# Altium PCB Balam_Board_2021_V2.PcbDoc
Units mil, origin at the board's own origin, x right, y up, seen from the top; angles counter-clockwise.
Board outline 3063.83 x 2727.29 mil, 2 copper layers (Top Layer, Bottom Layer); 61 components, 48 nets, 234 pads, 0 vias.
Unrouted connection lines stored in the file: 171.
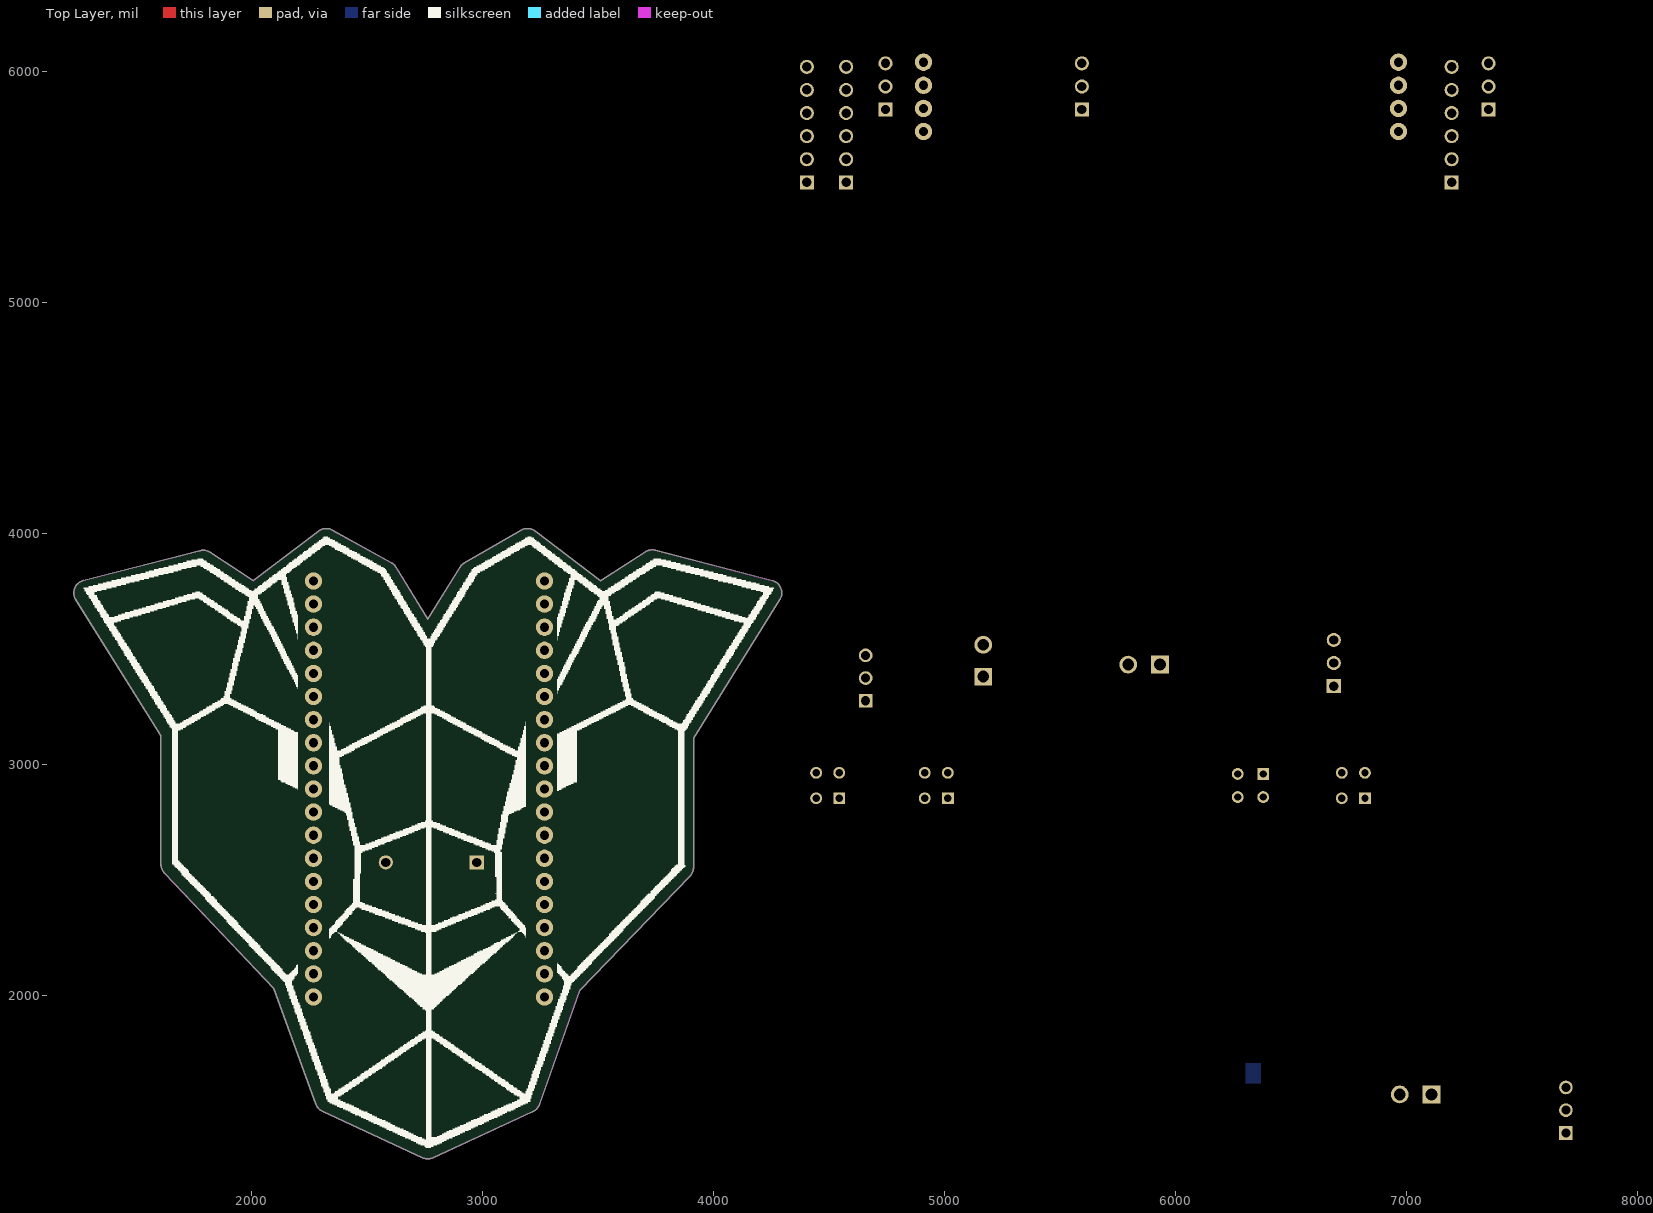
[diagram p0: Top Layer view]
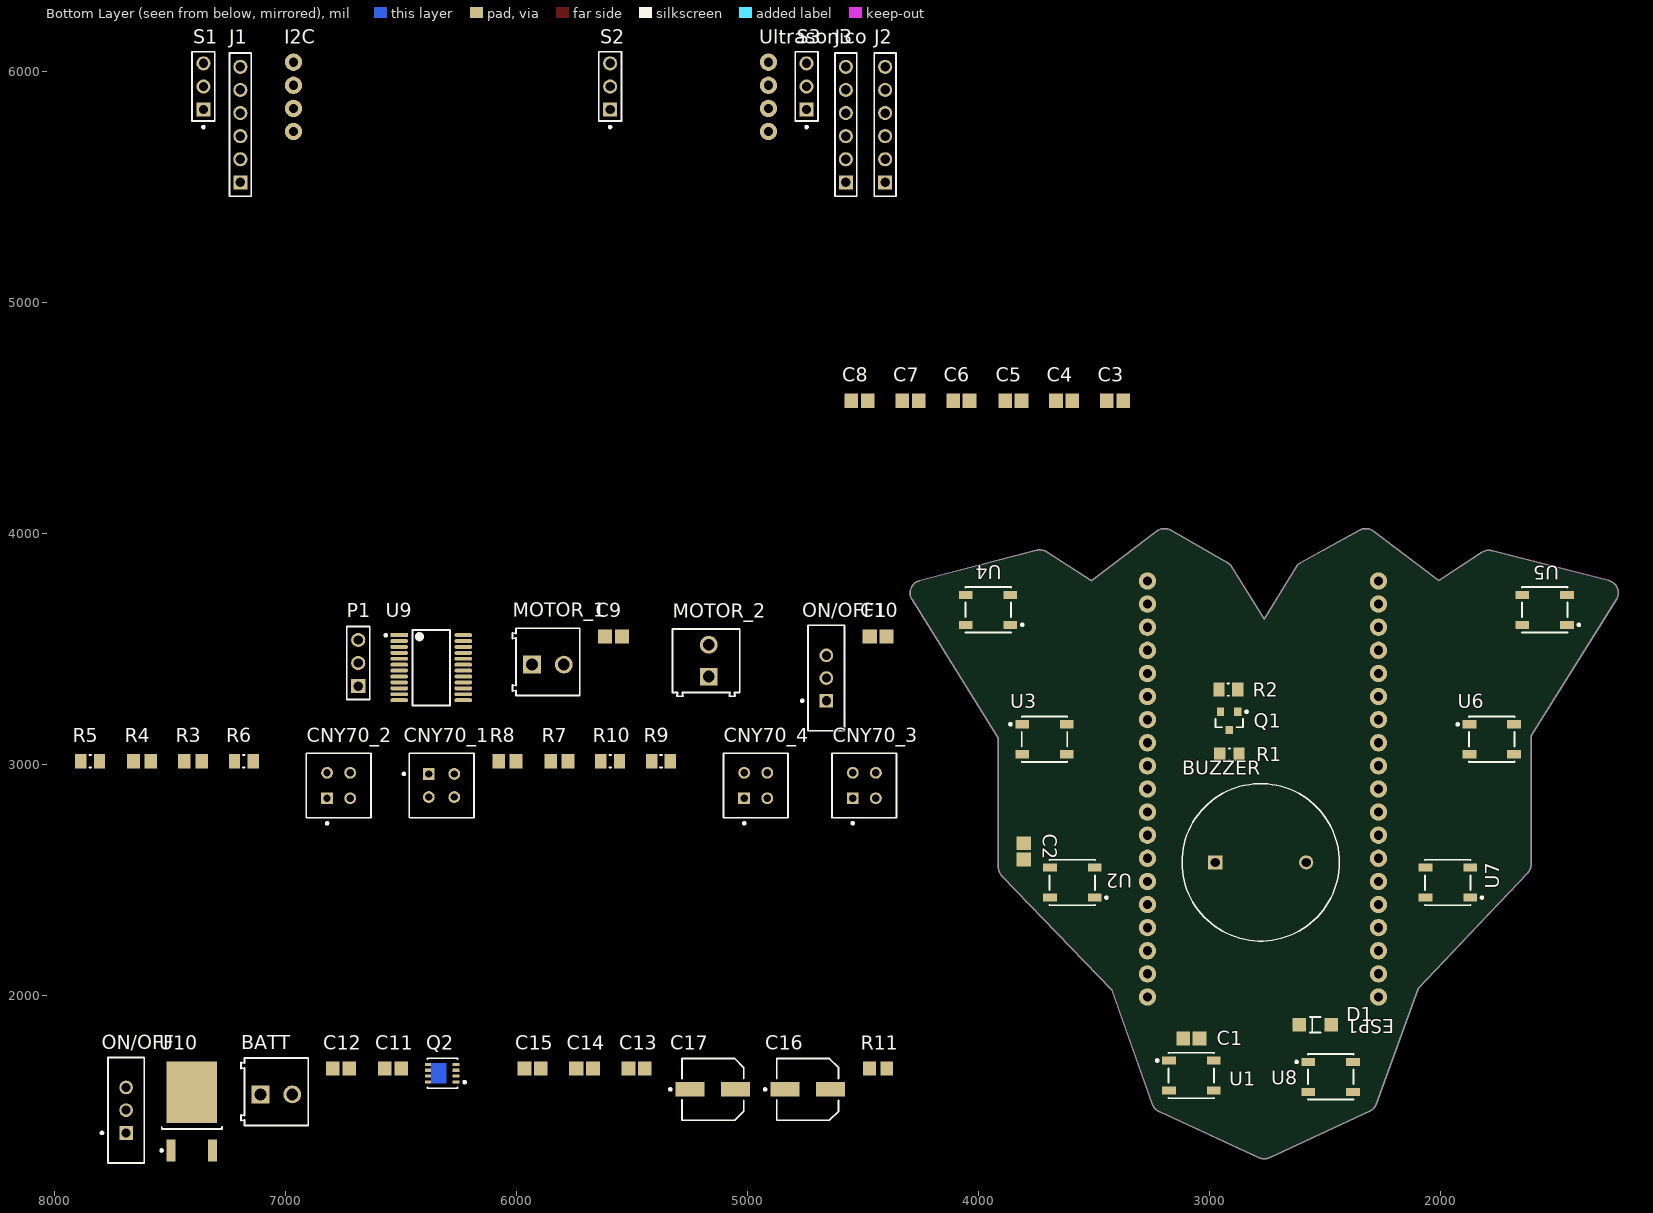
[diagram p1: Bottom Layer view, seen from below]

## Layer stack, top to bottom
Top Solder: solder mask 0.4, Solder Resist, Dk 3.5
Top Layer: signal copper 1.4
Dielectric 1: dielectric 12.6, FR-4, Dk 4.8
Bottom Layer: signal copper 1.4
Bottom Solder: solder mask 0.4, Solder Resist, Dk 3.5

## Board outline
1609.8,2569.08 1609.8,3126.13 1241.25,3713.86 cw(c1288.29,3743.37) 1236.73,3763.98 cw(c1288.31,3743.38) 1274.54,3797.19 1778.38,3926.16 cw(c1792.13,3872.81) 1784.38,3927.35 cw(c1792.15,3872.36) 1822.5,3918.87 2009.28,3797.07 2291.26,4010.73 cw(c2324.8,3966.54) 2343.16,4018.89 cw(c2324.73,3966.35) 2351.6,4015.13 2606.27,3874.97 cw(c2579.49,3826.3) 2626.85,3855.34 2765,3630 2904.31,3855.38 cw(c2951.56,3826.18) 2923.93,3874.36 3168.81,4014.79 cw(c3196.44,3966.62) 3230.14,4010.77 3512.4,3795.44 3705.56,3920.59 cw(c3735.75,3874.03) 3749.67,3927.75 4254.97,3797.12 cw(c4241.09,3743.37) 4292.65,3763.95 cw(c4241.08,3743.33) 4288.21,3713.95 3914.83,3114.91 3914.83,2556.06 cw(c3859.34,2556.04) 3899.26,2517.5 3423.26,2023.91 3248.11,1530.32 cw(c3195.75,1548.89) 3218.69,1498.29 3216.8,1497.44 2787.8,1299.85 cw(c2764.58,1350.16) 2764.56,1294.75 cw(c2764.54,1350.25) 2741.21,1299.89 2308.78,1500.21 cw(c2332.16,1550.64) 2279.91,1531.66 2098.22,2032.11 1625.05,2530.84 1625.05,2530.85 cw(c1665.35,2569.08)

## Design rules (kind name [scope] priority, off if disabled: settings)
Clearance [All] p1: gap=10 ignorepadtopadclearanceinfootprint=FALSE except(0: Arc-Hole Track-Hole SMDPad-Hole THPad-Hole Via-Hole Fill-Hole Poly-Hole Region-Hole Text-Hole)
PolygonConnect [All] p1: connectstyle=Relief reliefconductorwidth=10 reliefentries=4 polygonreliefangle="90 Angle" airgapwidth=10
RoomDefinition Motores [InComponentClass('Motores')] p1: confinementstyle=ConfineIn formatcopy=TRUE lockcomponents=FALSE outline 4340,3135 6750,3135 6750,3715 4340,3715
RoomDefinition CNY70 [InComponentClass('CNY70')] p2: confinementstyle=ConfineIn formatcopy=TRUE lockcomponents=FALSE outline 4340,2730 7940,2730 7940,3175 4340,3175
RoutingVias [All] p1: holewidth=28 width=50 viastyle="Through Hole" minholewidth=28 minwidth=50 maxholewidth=28 maxwidth=50
SolderMaskExpansion [All] p1: expansion=4 istentingtop=FALSE
Width [All] p1: maxlimit=10 minlimit=10 preferedwidth=10
30 further rules are at their usual default settings.

## Classes and differential pairs
component class schematic: ESP1 I2C J1 J2 J3 S1 S2 S3 Ultrasonico
component class NeoPixel: C1 C2 C3 C4 C5 C6 C7 C8 U1 U2 U3 U4 U5 U6 U7 U8
component class Motores: C9 C10 MOTOR_1 MOTOR_2 ON/OFF1 P1 U9
component class CNY70: CNY70_1 CNY70_2 CNY70_3 CNY70_4 R3 R4 R5 R6 R7 R8 R9 R10
component class Buzzer: BUZZER Q1 R1 R2
component class Alimentacion: BATT C11 C12 C13 C14 C15 C16 C17 D1 ON/OFF Q2 R11 U10

## Components (designator, comment, footprint, x,y, rotation, side; value= is the part's Value field where it differs from the comment)
BATT "691214110002" 691214110002 7039.25,1585 r180 bottom
BUZZER "PS1720P02" FP-PS1720P02-MFG 2779.74,2577.49 r180 bottom
C1 "C0805C105Z4VACTU" CAPC2013X140X50ML20T25 3080,1815 r180 bottom
C2 "C0805C105Z4VACTU" CAPC2013X140X50ML20T25 3805,2625 r270 bottom
C3 "C0805C105Z4VACTU" CAPC2013X140X50ML20T25 3410.43,4575 r180 bottom
C4 "C0805C105Z4VACTU" CAPC2013X140X50ML20T25 3630.43,4575 r180 bottom
C5 "C0805C105Z4VACTU" CAPC2013X140X50ML20T25 3850.43,4575 r180 bottom
C6 "C0805C105Z4VACTU" CAPC2013X140X50ML20T25 4075.43,4575 r180 bottom
C7 "C0805C105Z4VACTU" CAPC2013X140X50ML20T25 4295.43,4575 r180 bottom
C8 "C0805C105Z4VACTU" CAPC2013X140X50ML20T25 4515.43,4575 r180 bottom
C9 "0.1 uF" CAPC2013X94X50ML20T25 5580,3555 r180 bottom
C10 "0.1 uF" CAPC2013X94X50ML20T25 4435,3555 r180 bottom
C11 "C0805C106K4PACTU" CAPC2013X140X50ML20T25 6535,1685 r180 bottom
C12 "C0805C106K4PACTU" CAPC2013X140X50ML20T25 6760,1685 r180 bottom
C13 "C0805C106K4PACTU" CAPC2013X140X50ML20T25 5480,1685 r180 bottom
C14 "0.1 uF" CAPC2013X94X50ML20T25 5705,1685 r180 bottom
C15 "C0805C106K4PACTU" CAPC2013X140X50ML20T25 5930,1685 r180 bottom
C16 "EEE-FK1V470P" FP-FK-D-MFG 4740.39,1595 r180 bottom value=47uF
C17 "EEE-FK1V470P" FP-FK-D-MFG 5150.39,1595 r180 bottom value=47uF
CNY70_1 "CNY70" FP-6_544-5062_01-4-MFG 6324.41,2910 r180 bottom
CNY70_2 "CNY70" FP-6_544-5062_01-4-MFG 6770,2910 r90 bottom
CNY70_3 "CNY70" FP-6_544-5062_01-4-MFG 4495,2910 r90 bottom
CNY70_4 "CNY70" FP-6_544-5062_01-4-MFG 4965,2910 r90 bottom
D1 "HSMG-C150" FP-HSMG-C150-MFG 2543.9,1875 r180 bottom
ESP1 "Shield_ESP32_WR32E" SHIELD_ESP32_WR32E 2270,1995 r0 bottom locked
I2C "Pin Socket 4P" "PIN SOCKET 4P" 6964.99,5740 r90 bottom
J1 "SSW-106-02-G-S" SMTC-SSW-106-02-X-S 7195,5520 r90 bottom
J2 "SSW-106-02-G-S" SMTC-SSW-106-02-X-S 4405,5520 r90 bottom
J3 "SSW-106-02-G-S" SMTC-SSW-106-02-X-S 4575,5520 r90 bottom
MOTOR_1 "691214110002" 691214110002 5864.25,3445 r180 bottom
MOTOR_2 "691214110002" 691214110002 5180,3450 r90 bottom
ON/OFF "EG1218" ESWI-EG1218_V 7689.49,1505 r90 bottom
ON/OFF1 "EG1218" ESWI-EG1218_V 4659.49,3375 r90 bottom
P1 "TSW-103-07-F-S" SMTC-TSW-103-07-X-S 6685,3340 r90 bottom
Q1 "BSS138-7-F" DIOD-SOT23-3_V 2916.05,3189.85 r270 bottom
Q2 "BSZ086P03NS3 G" INF-PG-TSDSON-8-1_V 6320.59,1665 r180 bottom
R1 "1K" RESC0805(2012)_M 2915,3045 r0 bottom value="1000.00 Ohm"
R2 "10 kOhms" RESC2013X60X30ML20T20 2920,3325 r0 bottom
R3 "ERA6AEB221V" RESC2013X60X40ML20T25 7400,3015 r180 bottom
R4 "ERA6AEB221V" RESC2013X60X40ML20T25 7620,3015 r180 bottom
R5 "10 kOhms" RESC2013X60X30ML20T20 7845,3015 r180 bottom
R6 "10 kOhms" RESC2013X60X30ML20T20 7180,3015 r180 bottom
R7 "ERA6AEB221V" RESC2013X60X40ML20T25 5815,3015 r180 bottom
R8 "ERA6AEB221V" RESC2013X60X40ML20T25 6040,3015 r180 bottom
R9 "10 kOhms" RESC2013X60X30ML20T20 5375,3015 r180 bottom
R10 "10 kOhms" RESC2013X60X30ML20T20 5595,3015 r180 bottom
R11 "ERA6AEB221V" RESC2013X60X40ML20T25 4435,1685 r180 bottom
S1 "22-28-4033" MOLX-22-28-4033_V 7355,5935 r90 bottom
S2 "22-28-4033" MOLX-22-28-4033_V 5595,5935 r90 bottom
S3 "22-28-4033" MOLX-22-28-4033_V 4745,5935 r90 bottom
U1 "1655" ADA-RGB-1655_V 3080,1655 r180 bottom
U2 "1655" ADA-RGB-1655_V 3595,2490 r0 bottom
U3 "1655" ADA-RGB-1655_V 3715,3110 r180 bottom
U4 "1655" ADA-RGB-1655_V 3959.33,3670 r0 bottom
U5 "1655" ADA-RGB-1655_V 1550.91,3670 r0 bottom
U6 "1655" ADA-RGB-1655_V 1780,3110 r180 bottom
U7 "1655" ADA-RGB-1655_V 1970,2490 r0 bottom
U8 "1655" ADA-RGB-1655_V 2477.15,1649.19 r180 bottom
U9 "TB6612FNG,C,8,EL" FP-SSOP24-P-300-0_65A-IPC_A 6369.09,3420 r180 bottom
U10 "L7805CDT-TR" TO-252_M 7405,1500 r90 bottom
Ultrasonico "Pin Socket 4P" "PIN SOCKET 4P" 4909.99,5740 r90 bottom

## Footprints (in the part's own frame and the unit in brackets; to place one, negate y for a bottom-side part, rotate by r counter-clockwise, add the part's x,y. Pads: shape width x height; smd on the part's side, far side on the other; paste and mask are expansions set on the pad)
691214110002 [mm] "3.50 mm Horizontal Entry Modular, 2p"
  rect 1.95x1.95 hole 1.3: 1(-1.75,-0.3)
  round 1.95 hole 1.3: 2(1.75,-0.3)
  silkscreen extent -3.9,-3.7 3.5,3.7, body extent -3.95,-3.7 3.5,3.7, height 8.55
ADA-RGB-1655_V [mm] "SMD, 4-Leads, Body 5x5mm"
  rect 1.5x0.9 smd: 1(-2.45,1.65) 2(-2.45,-1.65) 3(2.45,-1.65) 4(2.45,1.65)
  silkscreen extent -3.88,-2.5 2.5,2.5, body extent -2.7,-2.5 2.7,2.5, height 1.68
CAPC2013X94X50ML20T25 [mm] "Chip Capacitor, 2-Leads, Body 2.01x1.25mm, IPC Low Density"
  rect 1.55x1.55 smd: 1(-0.925,0) 2(0.925,0)
  body extent -1.1,-0.72 1.11,0.72, height 0.94
CAPC2013X140X50ML20T25 [mm] "Chip Capacitor, 2-Leads, Body 2.00x1.25mm, IPC Low Density"
  rect 1.5x1.55 smd: 1(-0.9,0) 2(0.9,0)
  body extent -1.1,-0.72 1.1,0.72, height 1.4
DIOD-SOT23-3_V [mm] "SOT23, 3-Leads, Body 3x1.4mm, Pitch 0.95mm"
  rect 0.9x0.8 smd: 1(-1,0.95) 2(-1,-0.95) 3(1,0)
  silkscreen extent -1.12,-1.5 0.7,2.02, body extent -1.25,-1.5 1.25,1.5, height 1.1
ESWI-EG1218_V [mm] "THD, 3-Leads, Body 11.6x4mm, Pitch 2.5mm"
  rect 1.5x1.5 hole 1: 1(-2.5,0)
  round 1.5 hole 1: 2(0,0) 3(2.5,0)
  silkscreen extent -5.8,-2 5.8,2.78, body extent -5.8,-2 5.8,2, height 7.4
FP-6_544-5062_01-4-MFG [mm]
  rect 1.3x1.3 hole 0.8 paste-1000 mask+0: 1(-1.4,1.27)
  round 1.3 hole 0.8 paste-1000 mask+0: 2(1.4,1.27) 3(-1.4,-1.27) 4(1.4,-1.27)
  silkscreen extent -4.28,-3.55 3.55,3.55, body extent -3.5,-3.5 3.5,3.5, height 6
FP-FK-D-MFG [mm]
  rect 3.2x1.6 smd paste+0 mask+0: 1(-2.5,0) 2(2.5,0)
  silkscreen extent -4.8,-3.4 3.4,3.4, body extent -3.5,-3.3 3.5,3.3, height 6.11
FP-HSMG-C150-MFG [mm]
  rect 1.5x1.5 smd paste+0 mask+0: 1(-1.75,0) 2(1.75,0)
  silkscreen extent -0.6,-0.85 0.6,0.85, body extent -1.6,-0.8 1.6,0.8, height 1.2
FP-PS1720P02-MFG [mm]
  rect 1.55x1.55 hole 1 paste-1000 mask+0: 1(-5,0)
  round 1.55 hole 1 paste-1000 mask+0: 2(5,0)
  silkscreen extent -8.65,-8.65 8.65,8.65, body extent -8.5,-8.5 8.5,8.5, height 8.3
FP-SSOP24-P-300-0_65A-IPC_A [mm]
  rect 1.954x0.432 smd paste+0 mask+0: 1(-3.525,3.575)
  rrect100% 1.954x0.432 smd paste+0 mask+0: 2(-3.525,2.925) 3(-3.525,2.275) 4(-3.525,1.625) 5(-3.525,0.975) 6(-3.525,0.325) 7(-3.525,-0.325) 8(-3.525,-0.975) 9(-3.525,-1.625) 10(-3.525,-2.275) 11(-3.525,-2.925) 12(-3.525,-3.575) 13(3.525,-3.575) 14(3.525,-2.925) 15(3.525,-2.275) 16(3.525,-1.625) 17(3.525,-0.975) 18(3.525,-0.325) 19(3.525,0.325) 20(3.525,0.975) 21(3.525,1.625) 22(3.525,2.275) 23(3.525,2.925) 24(3.525,3.575)
  silkscreen extent -5.13,-4.15 2.05,4.15, body extent -3.8,-4.02 3.8,4.03, height 1.6
INF-PG-TSDSON-8-1_V [mm] "TSDSON, 8-Leads, Body 3.3x3.3mm, Pitch 0.65mm"
  rect 0.8x0.34 smd: 1(1.5,-0.975) 2(1.5,-0.325) 3(1.5,0.325) 4(1.5,0.975)
  rect 0.65x0.34 smd: 5(-1.575,0.975) 6(-1.575,0.325) 7(-1.575,-0.325) 8(-1.575,-0.975)
  Top Layer region: -1.25,1.145 0.46,1.145 0.46,-1.145 -1.25,-1.145
  silkscreen extent -1.65,-1.65 2.57,1.65, body extent -1.65,-1.65 1.65,1.65, height 1.1
MOLX-22-28-4033_V [mm] "THD, 3-Leads, Body 7.62x2.49mm, Pitch 2.54mm"
  rect 1.55x1.55 hole 1.02: 1(-2.54,0)
  round 1.55 hole 1.02: 2(0,0) 3(2.54,0)
  silkscreen extent -4.58,-1.24 3.81,1.24, body extent -3.81,-1.24 3.81,1.24, height 8.38
"PIN SOCKET 4P" [mm]
  round 1.905 hole 1.02: 1(0,0) 2(2.54,0) 3(5.08,0) 4(7.62,0)
  body extent -1.27,-1.27 8.89,1.27, height 7
RESC0805(2012)_M [mm] "Chip Resistor, Body 2.0x1.3mm, IPC Low Density"
  rect 1.25x1.5 smd: 1(-1.05,0) 2(1.05,0)
  silkscreen extent -0.05,-0.65 0.05,0.65, body extent -1.1,-0.67 1.1,0.67, height 0.7
RESC2013X60X30ML20T20 [mm] "Chip Resistor, 2-Leads, Body 2.00x1.25mm, IPC Low Density"
  rect 1.25x1.55 smd: 1(-1.025,0) 2(1.025,0)
  silkscreen extent -0.1,-0.67 0.1,0.67, body extent -1.1,-0.72 1.1,0.72, height 0.6
RESC2013X60X40ML20T25 [mm] "Chip Resistor, 2-Leads, Body 2.00x1.25mm, IPC Low Density"
  rect 1.4x1.55 smd: 1(-0.95,0) 2(0.95,0)
  body extent -1.1,-0.72 1.1,0.72, height 0.6
SHIELD_ESP32_WR32E [mm] "Shield ESP32 WROOM 32E"
  round 1.905 hole 1.02: 0(25.4,-33.02) 2(25.4,-35.56) 3V3(0,0) 4(25.4,-30.48) 5(25.4,-22.86) 5V(0,-45.72) 12(0,-30.48) 13(0,-35.56) 14(0,-27.94) 15(25.4,-38.1) 16(25.4,-27.94) 17(25.4,-25.4) 18(25.4,-20.32) 19(25.4,-17.78) 21(25.4,-12.7) 22(25.4,-5.08) 23(25.4,-2.54) 25(0,-20.32) 26(0,-22.86) 27(0,-25.4) 32(0,-15.24) 33(0,-17.78) 34(0,-10.16) 35(0,-12.7) CLK(25.4,-45.72) CMD(0,-43.18) D0(25.4,-43.18) D1(25.4,-40.64) D2(0,-38.1) D3(0,-40.64) EN(0,-2.54) GND(0,-33.02) GND(25.4,-15.24) GND(25.4,0) RX(25.4,-10.16) TX(25.4,-7.62) VN(0,-7.62) VP(0,-5.08)
  body extent -1.3,-50.84 26.7,4.64, height 13.76
SMTC-SSW-106-02-X-S [mm] "SQ Post Socket, 1x6 Pins, Vertical, 2.54mm Pitch, Female"
  rect 1.55x1.55 hole 1.04: 1(0,0)
  round 1.55 hole 1.04: 2(2.54,0) 3(5.08,0) 4(7.62,0) 5(10.16,0) 6(12.7,0)
  silkscreen extent -1.53,-1.2 14.23,1.2, body extent -1.52,-1.21 14.22,1.21, height 8.51
SMTC-TSW-103-07-X-S [mm] ".025 SQ Post Terminal Strip Assembly, 1x3 Pins, Vertical, 2.54mm Pitch, Male"
  rect 1.55x1.55 hole 1.02: 1(0,0)
  round 1.55 hole 1.02: 2(2.54,0) 3(5.08,0)
  silkscreen extent -1.46,-1.27 6.54,1.27, body extent -1.27,-1.27 6.35,1.27, height 8.38
TO-252_M [mm] "D-PAK, 4-Leads, Body 6.1x6.5mm, Pitch 2.28mm, Lead Span 9.7mm, IPC Low Density"
  rect 2.4x1 smd: 1(-4.3,2.28) 3(-4.3,-2.28)
  rect 6.8x5.55 smd: 4(2.1,0)
  silkscreen extent -4.42,-3.3 -1.7,3.46, body extent -1.95,-3.3 4.25,3.3, height 2.4

## Part data
BATT MOTOR_1 MOTOR_2: library part CMP-1502-02464-1, "Serie 2141 - 3.50 mm Horizontal Entry Modular with Rising Cage Clamp WR-TBL, 2 pin", Manufacturer="Wurth Elektronik", Operating Temperature=-40to105degC, Datasheet URL=http://katalog.we-online.de/em/datasheet/6912141100xx.pdf, Manufacturer URL=http://www.we-online.de, Mounting Technology=THT, Package Reference=691214110002, Packaging=Box, Part Number=691214110002, Pin Number=2, Pitch=3.50mm, Publisher=WurthElektronik
BUZZER: library part CMP-08413-000001-1, "AUDIO PIEZO TRANSDUCER 30V TH", Frequency=2kHz, Manufacturer="TDK Corporation", Package=0, Temperature="-10°C to +70°C", Temperature Range High=+70°C, Temperature Range Low=-10°C, Automotive=No, Category=Speak, ComponentLink2Description=Datasheet, ComponentLink2URL=https://product.tdk.com/info/en/catalog/datasheets/piezoelectronic_buzzer_ps_en.pdf, Device Class L1=Electromechanical, Device Class L2="Audio Products", Device Class L3=Buzzers, Digikey Description="AUDIO PIEZO TRANSDUCER 30V TH", Height=8.3mm, Lead Free=Yes, Manufacturer Part Number=PS1720P02, Mouser Description="Audio Indicators & Alerts Round 17mmx8mm 2 kHz Vin=3V", Octopart=https://octopart.com/ps1720p02-tdk-154429, RoHS=TRUE, Standoff Height=0.5mm
C1 C2 C3 C4 C5 C6 C7 C8: library part CMP-2007-03241-1, Manufacturer=Kemet, Part Number=C0805C105Z4VACTU
C9 C10 C14: library part CMP-2000-05016-1, "Chip Capacitor, Ceramic, 0.1 uF, 10%, 50 V, 0805, RoHS, Tape and Reel", Capacitance=100nF, Case Size/Dimension=0805, Dielectric=X7R, Manufacturer=AVX, Rated Voltage=50V, Tolerance (%)=±10%, Datasheet URL=http://www.farnell.com/datasheets/319609.pdf, Datasheet Version=Sep-07, Manufacturer URL=http://www.avx.com/
C11 C12 C13 C15: library part CMP-2007-03242-1, "10µF ±10% 16V Ceramic Capacitor X5R 0805 (2012 Metric)", Part Number=CL21A106KOQNNNG
C16 C17: library part CMP-05427-000002-1, "CAP ALUM 47UF 20% 35V SMD", Capacitance=47uF, Leakage Current=16.45uA, Manufacturer=Panasonic, Package=FK-D, Ripple Current=240mA, Temperature="-55°C to +105°C", Temperature Range High=+105°C, Temperature Range Low=-55°C, Tolerance=20%, Voltage Rating=35V, Automotive=Yes, Automotive Grade="Grade 2", Category=Cap, ComponentLink2Description=Datasheet, ComponentLink2URL=https://industrial.panasonic.com/cdbs/www-data/pdf/RDE0000/ABA0000C1181.pdf, Device Class L1="Passive Components", Device Class L2=Capacitors, Device Class L3="Aluminum Electrolytic Capacitors", Digikey Description="CAP ALUM 47UF 20% 35V SMD", Dissipation Factor=12%, ESR=0.36Ω, Height=6.1mm, Lead Free=Yes, Life=2000Hours, Manufacturer Part Number=EEE-FK1V470P, Material=Aluminum, Mouser Description="Capacitor Aluminum Electrolytic 47uF 35 Volt 20% (6.3 X 5.8mm) Surface Mount 240mA 2000h 105C Automotive", Octopart=https://octopart.com/eeefk1v470p-panasonic-4642848, RoHS=TRUE
CNY70_1 CNY70_2 CNY70_3 CNY70_4: library part CMP-02521-000007-1, "SENSOR OPTO TRANS 5MM REFLTH PCB", Ambient Temperature Range High=+85°C, Ambient Temperature Range Low=-40°C, Collector Emitter Voltage=32V, Emiiter Collector Voltage=7V, Forward Current=50mA, Forward Voltage=1.25V, Manufacturer="Vishay Semiconductor Opto Division", Max Junction Temp=+100°C, Package=6.544-5062.01-4, Power Dissipation=200mW, Reverse Voltage=5V, Temperature="to +100°C", Automotive=No, Category=Trans, ComponentLink2Description=Datasheet, ComponentLink2URL=http://www.vishay.com/docs/83751/cny70.pdf, Device Class L1=Optoelectronics, Device Class L2=Optocouplers, Device Class L3=unset, Digikey Description="SENSOR OPTO TRANS 5MM REFLTH PCB", Height=6mm, Lead Free=Yes, Manufacturer Part Number=CNY70, Mouser Description="CNY70 Series 1 mA 1.25 V 950 nm 200 mW Reflective Optical Sensor 4 Pin", Octopart=https://octopart.com/cny70-vishay-39692873, RoHS=TRUE, Temperature Range High=+100°C, Wavelength=940nm
D1: library part CMP-2000-05061-2, "LED GREEN DIFFUSED 1206 SMD", Colour=Green, Forward Current=20mA, Forward Voltage=2.2V, Manufacturer=Broadcom, Max Junction Temp=+95°C, Power Dissipation=65mW, Reverse Voltage=5V, Temperature="-40°C to +85°C", Temperature Range High=+85°C, Temperature Range Low=-40°C, Automotive=No, Category=Diode, ComponentLink2Description=Datasheet, ComponentLink2URL=https://docs.broadcom.com/docs/AV02-0551EN, Device Class L1=Optoelectronics, Device Class L2=LEDs, Device Class L3=unset, Digikey Description="LED GREEN DIFFUSED 1206 SMD", Height=1.2mm, Ipc Land Pattern Name=DIOCP320160X55, Lead Free=Yes, Led Orientation="Top View", Luminous Intensity=15mcd, Manufacturer Part Number=HSMG-C150, Mouser Description="LED Uni-Color Green 570nm 2-Pin Chip LED T/R", Octopart=https://octopart.com/hsmg-c150-broadcom-71131304, Package=HSMG-C150, Peak Emmision Wavelength=570nm, RoHS=TRUE, Viewing Angle=170°, Wavelength=572nm
I2C Ultrasonico: "Female Header 4 1 Straight，180degrees 2.54mm Through Hole,P=2.54mm Pin Header & Female Header RoHS"
J1 J2 J3: library part CMP-1023-00359-1, "SQ Post Socket, Through-hole, Vertical, -55 to 125 degC, 2.54mm Pitch, 6-Pin, Female, RoHS", Manufacturer=Samtec, Temperature Range="-55 to 125 degC", ComponentLink1Description="Manufacturer URL", ComponentLink1URL=http://www.samtec.com, ComponentLink2Description=Datasheet, ComponentLink2URL=http://www.samtec.com/documents/webfiles/pdf/SSW_TH.PDF, ComponentLink3Description="Package Specification", ComponentLink3URL=http://www.samtec.com/documents/webfiles/cpdf/SSW-1XX-XX-XXX-X-XX-XXX-XX-MKT.pdf, DatasheetVersion=F-214, Mounting Technology=Through-hole, Orientation=Vertical, PackageDescription="Assembly, Socket Strip .016 X .031 Tail", PackageReference=SSW-106-02-X-S, PackageVersion="CA, 6/1987", PartNumber=SSW-106-02-G-S, Pitch="2.54 mm", RoHS=True
ON/OFF ON/OFF1: library part CMP-1696-00002-1, "Slide Switch, 500 V, -20 to 70 degC, 3-Pin THD, RoHS", Case\Package=SOT-23-5, Dropout Voltage="300 mV", Max Input Voltage="8 V", Max Operating Temperature="85 degC", Max Ouput Current="150 mA", Max Power Dissipation="250 mW", Min Input Voltage="4.3 V", Min Operating Temperature="-40 degC", Nominal Output Voltage="3.3 V", Package Quantity=3000, ComponentLink1Description="Manufacturer URL", ComponentLink1URL=http://www.e-switch.ch/en/, ComponentLink2Description=Datasheet, ComponentLink2URL=https://www.e-switch.com/system/asset/product_line/data_sheet/119/EG.pdf, DatasheetVersion=Oct-15, Height="1.3 mm", Length="3 mm", Mount="Surface Mount", Output Current="150 mA", Output Voltage="3.3 V", Outputs=1, PackageDescription="3-Pin Through Hole Device, Body 11.6 x 4 mm, Pitch 2.5 mm", PackageReference=EG1218, Packaging="Tape and Reel", Pins=5, Power Rating="250 mW", Radiation Hardening=No, REACH SVHC="No SVHC", RoHSCompliant=true, Width="1.8 mm"
P1: library part CMP-1024-00331-1, "0.025\" SQ Post Header, Through-hole, Vertical, -55 to 125 degC, 2.54 mm Pitch, 3-Pin, Male, RoHS", Manufacturer=Samtec, Temperature Range="-55 to 125 degC", ComponentLink1Description="Manufacturer URL", ComponentLink1URL=http://www.samtec.com, ComponentLink2Description=Datasheet, ComponentLink2URL=http://www.samtec.com/documents/webfiles/pdf/TSW_TH.PDF, ComponentLink3Description="Package Specification", ComponentLink3URL=http://www.samtec.com/documents/webfiles/cpdf/TSW-XXX-XX-XXX-X-XX-XXX-MKT.pdf, DatasheetVersion=F-214, Mounting Technology=Through-hole, Orientation=Vertical, PackageDescription=".025[0.64] SQ. Post Terminal Strip Assembly", PackageReference=TSW-103-07-X-S, PackageVersion="DM, 8/1988", PartNumber=TSW-103-07-F-S, Pitch="2.54 mm", RoHS=True
Q1: library part CMP-2000-04930-1, "N-Channel Enhancement Mode Mosfet, 50 V, 0.2 A, -55 to 150 degC, 3-Pin SOT23, RoHS, Tape and Reel", Id - Continuous Drain Current=200mA, Manufacturer="Diodes Inc", Maximum Operating Temperature=+150C, Minimum Operating Temperature=-55C, Package / Case=SOT-23-3, Package Description="3-Pin Small Outline Transistor, Body 2.9 x 1.3 mm, Pitch 0.96 mm", Package Reference=SOT23-3, Pd - Power Dissipation=300mW, Rds On - Drain-Source Resistance=3.5Ohms, Vds - Drain-Source Breakdown Voltage=50V, Vgs - Gate-Source Voltage=20V, Brand=DiodesIncorporated, Channel Mode=Enhancement, Configuration=Single, Datasheet URL=https://datasheet.ciiva.com/8115/ds30144-8115344.pdf, Datasheet Version="Rev. 20-2, 11/2013", Factory Pack Quantity=3000, Height=1mm, Length=2.9mm, Manufacturer URL=http://www.diodes.com/, Mounting Style=SMD/SMT, Number of Channels=1Channel, Packaging=Reel, Product=MOSFETSmallSignal, Product Category=MOSFET, RoHS=True, Series=BSS138, Technology=Si, Transistor Polarity=N-Channel, Transistor Type=1N-Channel, Typical Turn-Off Delay Time=20ns, Typical Turn-On Delay Time=20ns, Unit Weight=0.000282oz, Width=1.3mm
Q2: library part CMP-1099-00063-1, "P-Channel OptiMOS P3 Power-Transistor, -30 V VDS, -40 A ID, -55 to 150 degC, PG-TSDSON-8-1, Reel, Green", Manufacturer=Infineon, ComponentLink1Description="Manufacturer URL", ComponentLink1URL=http://www.infineon.com/, ComponentLink2Description=Datasheet, ComponentLink2URL=http://www.infineon.com/dgdl/BSZ086P03NS3+G_2.03.pdf?folderId=db3a304314dca38901154a7313d21a66&fileId=db3a30431ff9881501203d3a5e7d17a9, ComponentLink3Description="Package Specification", ComponentLink3URL=http://www.infineon.com/dgdl/BSZ240N12NS3+Rev2.0.pdf?folderId=db3a304313b8b5a60113cee8763b02d7&fileId=db3a30432a40a650012a42f3057a0038, DatasheetVersion="Rev. 2.03", Green=TRUE, Halogen-free=TRUE, ID (max)="-40Â A", IDpuls (max)="-160Â A", Mounting Technology="Surface Mount", PackageDescription="8-Pin Plastic (Green) Thin Dual Small Outline Non-Leaded Package, 3.3 x 3.3 mm Body, 0.65 mm Pitch", PackageReference=PG-TSDSON-8-1, PackageVersion="Rev. 02, 09/2008", Packing=Reel, PartNumber="BSZ086P03NS3 G", Pto t (max)="69Â W", QG="43.2Â nC", RDS (on) (max)="8.6Â mOhm", Rth="1.8Â K/W", RthJC (max)="1.8 K/W", VDS (max)="-30Â V", VGS(th) (max)="-1.9Â V", VGS(th) (min)="-3.1Â V"
R1: library part CMP-1013-00510-1, "1K 0.125W 1% 0805 (2012 Metric)  SMD", Case-EIA=0805, Case-Metric=2012, Power="0.125 W", Tolerance="1 %", Technology=SMT
R2 R5 R6 R9 R10: library part CMP-2001-04657-1, "10 kOhms ±5% 0.25W, 1/4W Chip Resistor 0805 (2012 Metric) Automotive AEC-Q200, Moisture Resistant Thick Film", Manufacturer="KOA Speer", Part Number=RK73B2ATTD103J
R3 R4 R7 R8 R11: library part CMP-2001-00612-1, Manufacturer=Panasonic, Part Number=ERA6AEB221V
S1 S2 S3: library part CMP-1676-00001-5, "Male Header, Pitch 2.54 mm, 1 x 3 Position, Height 8.38 mm, Tail Length 3.18 mm, RoHS, Bulk", Colour=Black, Current Rating="4 A", Manufacturer=Molex, Max Operating Temperature="75 degC", Min Operating Temperature="0 degC", Package Quantity=1, Voltage Rating="250 V", ComponentLink1Description="Manufacturer URL", ComponentLink1URL=http://www.molex.com/, ComponentLink2Description=Datasheet, ComponentLink2URL=http://www.molex.com/pdm_docs/sd/022284033_sd.pdf, Contact Finish=Gold, Contact Material=Brass, Contact Plating=Gold, DatasheetVersion="Rev. G, 01/2012", Height="8.38 mm", Lead Pitch="0.1 inch", Length="7.62 mm", Mount="Through Hole", Mounting Technology="Through Hole", PackageDescription="Male Header, Pitch 2.54 mm, 1 x 3 Position, Height 8.38 mm, Tail Length 3.18 mm", PackageReference=22-28-4033, Packaging=Bulk, Pins=3, REACH SVHC=Unknown, RoHSCompliant=true, Rows=1
U1 U2 U3 U4 U5 U6 U7 U8: library part CMP-2000-05026-1, "Intelligent Control LED Integrated Light Source, 3.5 to 5.3 V, -25 to 80 degC, 4-Pin SMD, RoHS, Tape and Reel", Color=Red,Green,Blue(RGB), Manufacturer=Adafruit-Industries-LLC, Package Description="4-Pin Surface Mount Device, Body 5 x 5 mm", Category=Optoelectronics, Configuration=Discrete, Controller Type=-, Datasheet URL=http://datasheet.octopart.com/ADA1655-Adafruit-Industries-datasheet-32028139.pdf, Datasheet Version=May-13, Family=Addressable,Specialty, Interface=-, Manufacturer URL=https://www.adafruit.com/, Mounting Type=SurfaceMount, Number of LEDs=10, Package Reference=1655, Series=Neopixel, Size / Dimension=5.00mmLx5.00mmW, Utilized LED=WS2812(5050)
U9: library part CMP-2100-03693-3, "IC MOTOR DRIVER 2.7V-5.5V 24SSOP", Case/Package=SSOP, Max Operating Temperature=85°C, Max Supply Voltage=5.5V, Min Operating Temperature=-20°C, Min Supply Voltage=2.7V, Operating Supply Voltage=3V, Output Current=1A, Package Quantity=1, Interface=Parallel, Logic Function=AND, Mount="Surface Mount", Number of Outputs=2, Number of Pins=24, Packaging="Tape and Reel"
U10: library part CMP-0244-00216-1, "Positive Voltage Regulator, 3-Pin DPAK, Tape and Reel", ComponentLink1Description="Manufacturer URL", ComponentLink1URL=http://www.st.com, ComponentLink2Description=Datasheet, ComponentLink2URL=http://www.st.com/internet/com/TECHNICAL_RESOURCES/TECHNICAL_LITERATURE/DATASHEET/CD00000444.pdf, DatasheetVersion=16/11/2011, PackageDescription="3-Pin Transistor Outline Package 2.28 mm Pitch, 9.7 mm Lead Span (DPAK)", PackageReference=TO-252, PackageVersion=2011

## Nets (pads, with @x,y where several pads share a name; then routed paths per layer and width w, separated by ;. In a path a pad name is that pad's centre, name@x,y a point inside that pad or via, vN(x,y) a via of type N, cw(c..) or ccw(c..) an arc to the next point about the centre after c; other vN are vias at no path point)
3V3: BUZZER.1 C9.2 C10.2 ESP1.3V3 I2C.1 J1.1 ON/OFF1.3 R1.2 U9.20
5V: C1.2 C2.2 C3.2 C4.2 C5.2 C6.2 C7.2 C8.2 C12.2 C13.2 C14.2 C15.2 ESP1.5V J2.5 J3.5 P1.3 R3.2 R4.2 R5.1 R6.1 R7.2 R8.2 R9.1 R10.1 S1.1 S2.1 S3.1 U1.1 U2.1 U3.1 U4.1 U5.1 U6.1 U7.1 U8.1 U10.3 Ultrasonico.1
AIN_1: ESP1.32 U9.21
AIN_2: ESP1.33 U9.22
BIN_1: ESP1.25 U9.17
BIN_2: ESP1.26 U9.16
Buzzer_O: ESP1.27 Q1.1 R2.1
CNY1: CNY70_1.4 ESP1.VP J2.1 J3.1 R6.2
CNY2: CNY70_2.4 ESP1.VN J2.2 J3.2 R5.2
CNY3: CNY70_3.4 ESP1.34 J2.3 J3.3 R9.2
CNY4: CNY70_4.4 ESP1.35 J2.4 J3.4 R10.2
CS: ESP1.5 J1.5
DIN_Neopixel: ESP1.15 U1.4
Dout5: U5.2 U6.4
ECHO: ESP1.16 Ultrasonico.3
GND: BATT.1 C1.1 C2.1 C3.1 C4.1 C5.1 C6.1 C7.1 C8.1 C9.1 C10.1 C11.1 C12.1 C13.1 C14.1 C15.1 C16.1 C17.1 CNY70_1.2 CNY70_1.3 CNY70_2.2 CNY70_2.3 CNY70_3.2 CNY70_3.3 CNY70_4.2 CNY70_4.3 ESP1.GND I2C.2 J1.2 J2.6 J3.6 ON/OFF1.1 Q1.2 Q2.4 R2.2 R11.1 S1.3 S2.3 S3.3 U1.3 U2.3 U3.3 U4.3 U5.3 U6.3 U7.3 U8.3 U9.3 U9.4 U9.9 U9.10 U9.18 U10.4 Ultrasonico.4
GPIO0: ESP1.0 S1.2
GPIO2: ESP1.2 S2.2
GPIO4: ESP1.4 S3.2
MOTOR_V: P1.2 U9.13 U9.14 U9.24
NetBATT_2: BATT.2 ON/OFF.2
NetBUZZER_2: BUZZER.2 Q1.3 R1.1
NetCNY70_1_1: CNY70_1.1 R3.1
NetCNY70_2_1: CNY70_2.1 R4.1
NetCNY70_3_1: CNY70_3.1 R7.1
NetCNY70_4_1: CNY70_4.1 R8.1
NetD1_1: D1.1 R11.2
NetMOTOR_1_1: MOTOR_1.1 U9.1 U9.2
NetMOTOR_1_2: MOTOR_1.2 U9.5 U9.6
NetMOTOR_2_1: MOTOR_2.1 U9.11 U9.12
NetMOTOR_2_2: MOTOR_2.2 U9.7 U9.8
NetON/OFF1_2: ON/OFF1.2 U9.19
NetON/OFF_3: ON/OFF.3 Q2.5 Q2.6 Q2.7 Q2.8
NetU1_2: U1.2 U2.4
NetU2_2: U2.2 U3.4
NetU3_2: U3.2 U4.4
NetU4_2: U4.2 U5.4
NetU6_2: U6.2 U7.4
NetU7_2: U7.2 U8.4
PWM_A: ESP1.12 U9.23
PWM_B: ESP1.14 U9.15
SCL: ESP1.22 I2C.3
SCLK: ESP1.18 J1.3
SDA: ESP1.21 I2C.4
SDI/SPI: ESP1.19 J1.4
SDO: ESP1.23 J1.6
TRIGGER: ESP1.17 Ultrasonico.2
VBATT: C11.2 C16.2 C17.2 D1.2 P1.1 Q2.1 Q2.2 Q2.3 U10.1
pads on no net: ESP1.13 ESP1.CLK ESP1.CMD ESP1.D0 ESP1.D1 ESP1.D2 ESP1.D3 ESP1.EN ESP1.RX ESP1.TX ON/OFF.1 U8.2

## Keep-outs
Keep-Out Layer:
  the board outline again, w5

## Silkscreen, mask and mechanical layers (free items; w line width, h text height)
Top Overlay:
  region: 2083 vertices and 13 holes, not listed, extent 1275.94,1341.98 4261.78,3986.73